# Altium PCB PowerM.PcbDoc
Units mil, origin at the board's own origin, x right, y up, seen from the top; angles counter-clockwise.
Board outline 2635.06 x 2170.06 mil, 2 copper layers (Top Layer, Bottom Layer); 58 components, 31 nets, 209 pads, 36 vias.
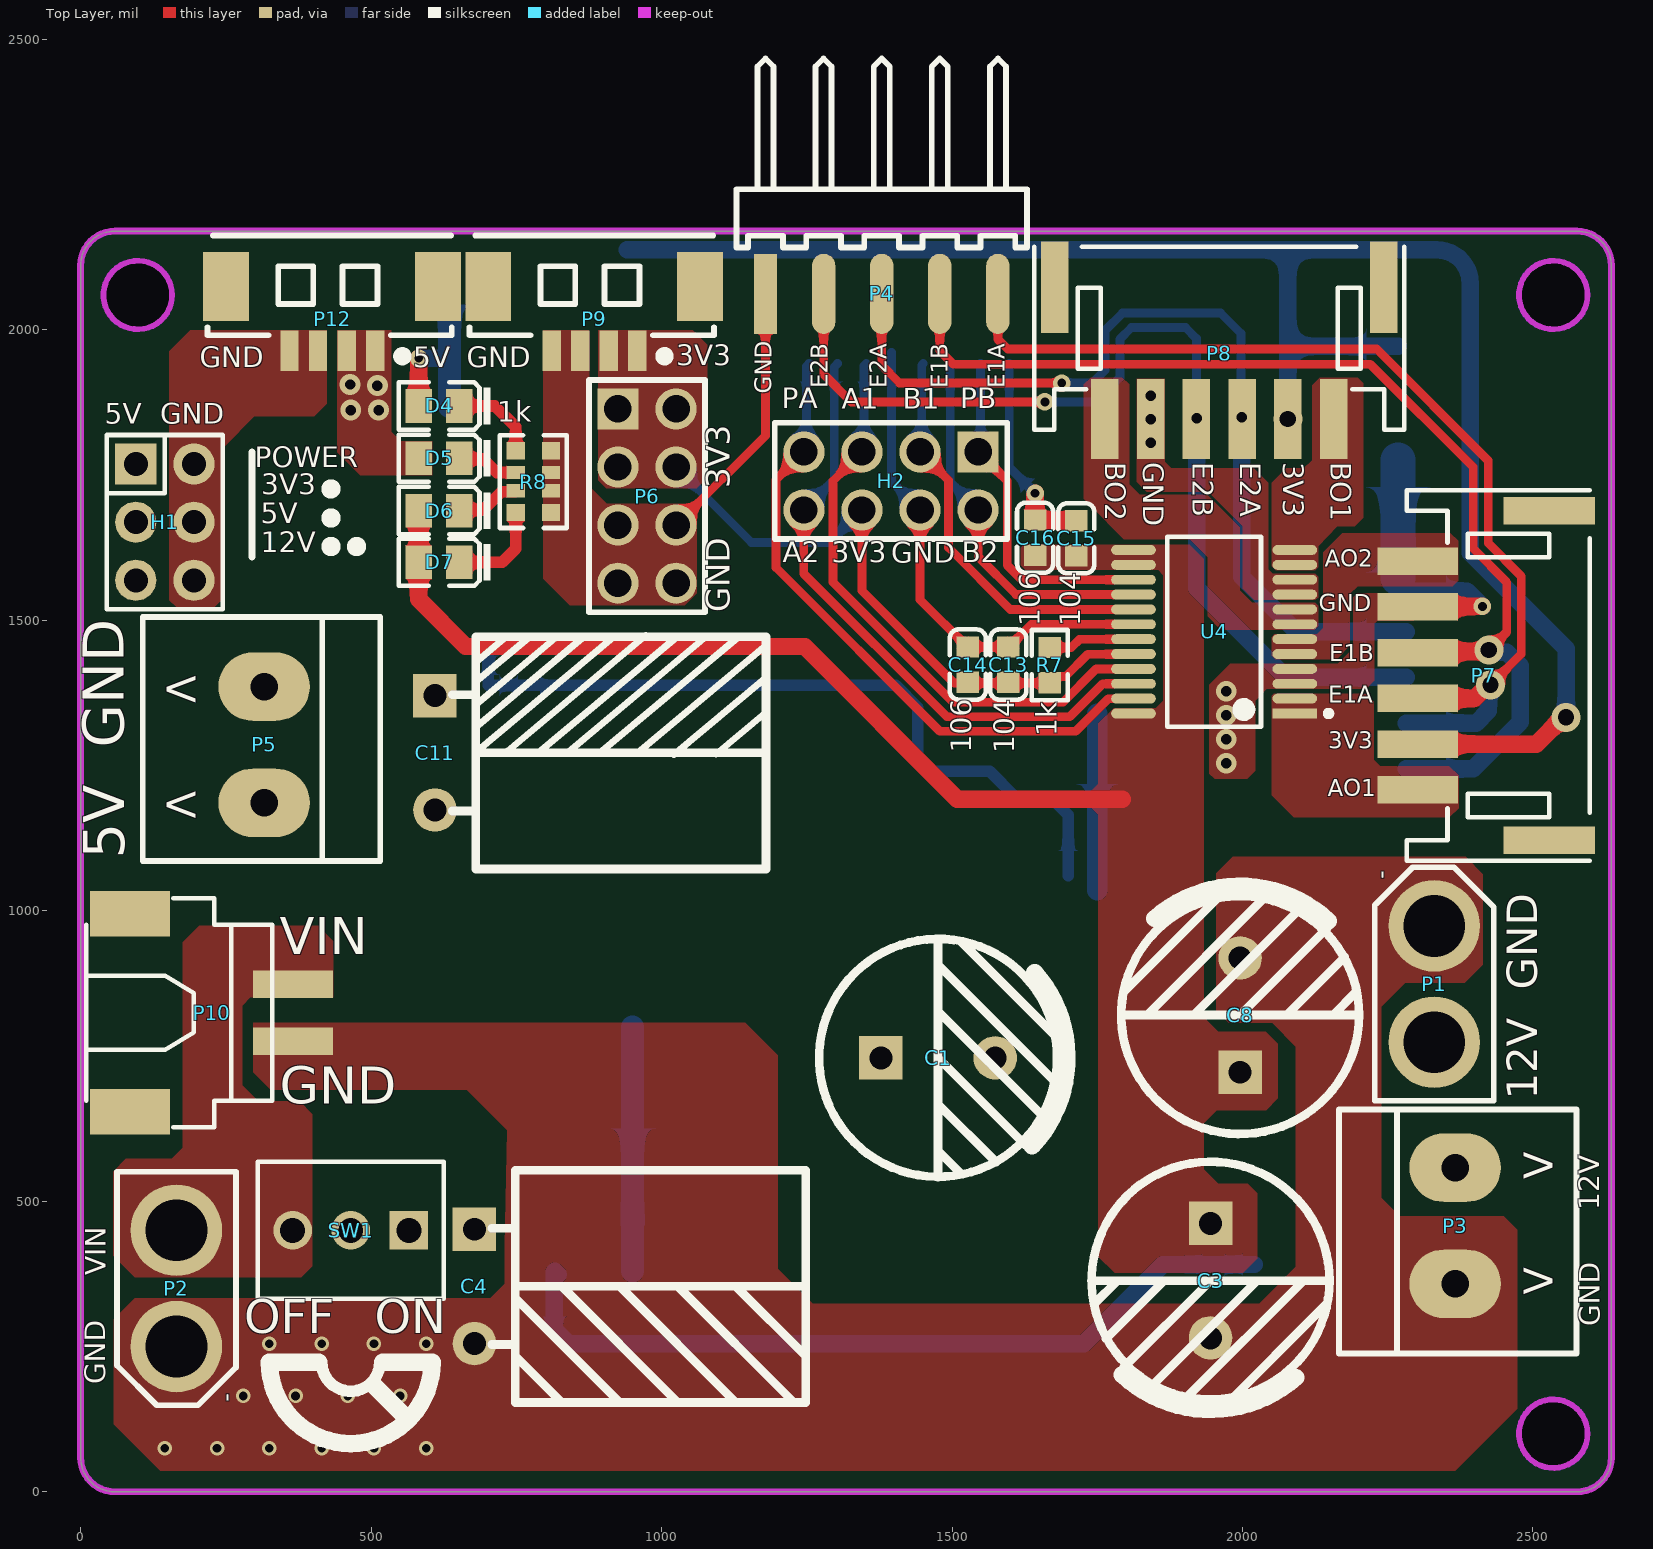
[diagram p0: Top Layer view]
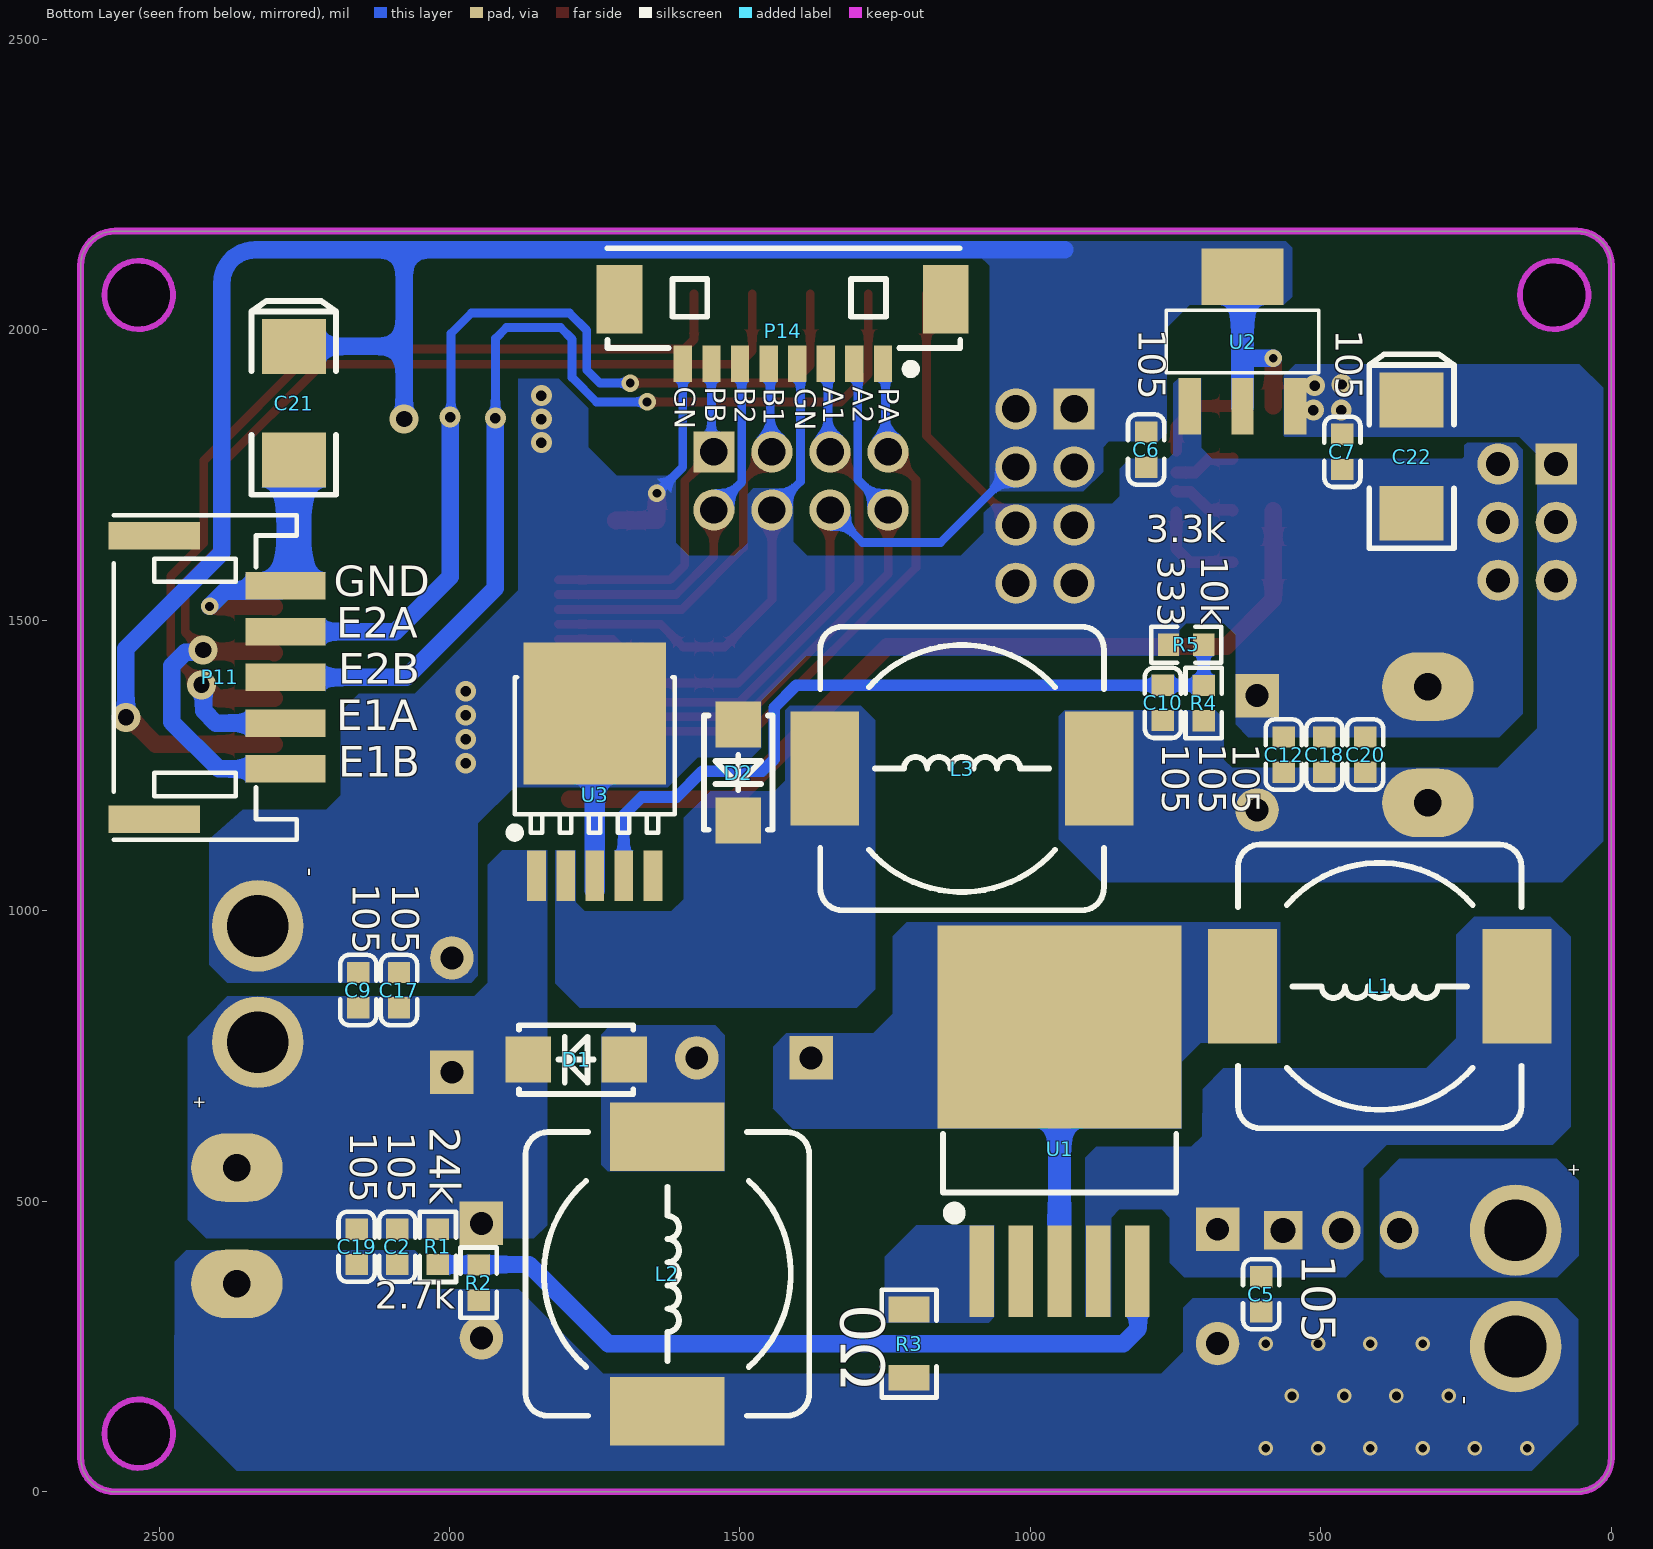
[diagram p1: Bottom Layer view, seen from below]

## Layer stack, top to bottom
Top Solder: solder mask 0.4, Solder Resist, Dk 3.5
Top Layer: signal copper 1.4
Dielectric 1: dielectric 12.6, FR-4, Dk 4.8
Bottom Layer: signal copper 1.4
Bottom Solder: solder mask 0.4, Solder Resist, Dk 3.5

## Board outline
0,59.06 ccw(c59.06,59.06) 59.06,0 2576.15,0 2576,0 ccw(c2576,59.05) 2635.06,59.05 2635,59.05 2635,2111.03 2635,2111 ccw(c2575.95,2111) 2575.95,2170.06 2575.95,2170 59.06,2170 ccw(c59.05,2110.94) 0,2110.94
cut-out: 2475.94,2060 ccw(c2535,2060) 2535,2000.94 ccw(c2535,2060) 2594.06,2060 ccw(c2535,2060) 2535,2119.06 ccw(c2535,2060)
cut-out: 98.43,2000.94 cw(c98.43,2060) 39.37,2060 cw(c98.43,2060) 98.43,2119.06 cw(c98.43,2060) 157.48,2060 cw(c98.43,2060)
cut-out: 2475.94,100 ccw(c2535,100) 2535,40.94 ccw(c2535,100) 2594.06,100 ccw(c2535,100) 2535,159.06 ccw(c2535,100)

## Design rules (kind name [scope] priority, off if disabled: settings)
Clearance [All] p1: gap=10 ignorepadtopadclearanceinfootprint=FALSE except(0: Arc-Hole Track-Hole SMDPad-Hole THPad-Hole Via-Hole Fill-Hole Poly-Hole Region-Hole Text-Hole; 5: Arc-SMDPad Arc-THPad Arc-Fill Arc-Poly Arc-Region Track-SMDPad Track-THPad Track-Fill Track-Poly Track-Region SMDPad-SMDPad SMDPad-Fill SMDPad-Poly SMDPad-Region Fill-Fill Fill-Poly Fill-Region Poly-Poly Poly-Region Region-Region)
PolygonConnect [All] p1: connectstyle=Direct reliefconductorwidth=10 reliefentries=4 polygonreliefangle="90 Angle" airgapwidth=10
RoutingVias [All] p1: holewidth=28 width=50 viastyle="Through Hole" minholewidth=8 minwidth=12 maxholewidth=28 maxwidth=50
SolderMaskExpansion [All] p1: expansion=4 istentingtop=FALSE
Width [All] p1: maxlimit=300 minlimit=10 preferedwidth=10 minimp=50.000000 maximp=50.000000 favimp=50.000000
30 further rules are at their usual default settings.

## Components (designator, comment, footprint, x,y, rotation, side; value= is the part's Value field where it differs from the comment)
C1 "100uF" "CAP 5.0*10*12.5" 1476,747 r0 top
C2 "105" 0603_C 2090,421.68 r90 bottom
C3 "220uF" "CAP 5.0*10*12.5" 1945,363.43 r270 top value=100uF
C4 "220uF" "CAP 5.0*10*12.5-H" 678,353.57 r270 top value=100uF
C5 "105" 0603_C 603,340 r90 bottom
C6 "105" 0603_C 801,1794 r90 bottom
C7 "105" 0603_C 463,1790 r90 bottom
C8 "33uF" "CAP 5.0*10*12.5" 1996,820.57 r90 top value=100uF
C9 "105" 0603_C 2157,863.68 r270 bottom
C10 "33nF" 0603_C 772,1358 r90 bottom
C11 "220uF" "CAP 5.0*10*12.5-H - GD" 915,1276 r270 top value=100uF
C12 "105" 0603_C 564,1269 r270 bottom
C13 "104" 0603_C 1597,1424 r270 top
C14 "106" 0603_C 1527,1424 r270 top
C15 "104" 0603_C 1714,1641.32 r270 top
C16 "106" 0603_C 1643,1642.32 r270 top
C17 "105" 0603_C 2087,863.68 r270 bottom
C18 "105" 0603_C 494,1269 r270 bottom
C19 "105" 0603_C 2160,421.68 r90 bottom
C20 "105" 0603_C 424,1269 r270 bottom
C21 "226" CASE-C_6032 2268,1874 r90 bottom
C22 "226" CASE-C_6032 344,1782 r90 bottom
D1 "SS34" SMA(DO-214AC)_S2 1782,744 r180 bottom
D2 "Diode" SMA(DO-214AC)_S2 1503,1238 r90 bottom
D4 "LED" 0805_LED 617,1869 r180 top
D5 "LED" 0805_LED 617,1779 r180 top
D6 "LED" 0805_LED 617,1689 r180 top
D7 "LED" 0805_LED 617,1600 r180 top
H1 "PH6" HDR-TH_6P-P2.54-V-M-R2-C3-S2.54-1 145,1669 r270 top
H2 "PH8" HDR-TH_8P-P2.54-V-R2-C4-S2.54_A2541WV-2X4P 1395,1740 r180 top
L1 "100uH" CDRH127 398.78,870 r0 bottom
L2 "100uH" CDRH127 1625,375 r270 bottom
L3 "100uH" CDRH127 1117.78,1245 r180 bottom
P1 "PH-2Way" XT30-M 2330,874 r90 top
P2 "PH-2Way" XT30-M 165,350 r270 top
P3 "2PIN" KF128-2P 2366.94,352.72 r90 top
P4 "Header 5" HDR2.54-WS-5P 1379,2062 r0 top
P5 "2PIN" KF128-2P 315.06,1391.28 r270 top
P6 "PH8" HDR-TH_8P-P2.54-V-R2-C4-S2.54_A2541WV-2X4P 975,1714 r270 top
P7 "6PIN" PH2.0WS-6P 2435,1415 r90 top
P8 "6PIN" PH2.0WS-6P 1950,1980 r180 top
P9 "4PIN" MX1.25WS-4PIN 1068.06,2071.65 r180 top
P10 "PH-2Way" XH2.54-WS-2P 169.65,824.65 r270 top
P11 "接线端子-5PIN" PH2.0-WS-5P 2435,1415 r270 bottom
P12 "4PIN" MX1.25WS-4PIN 616.85,2071.65 r180 top
P14 "接线端子-8PIN" MX1.25WS-8P 1449,2063 r180 bottom
R1 "24kΩ" 0603_R 2020,421.57 r90 bottom
R2 "2.7kΩ" 0603_R 1950,360 r90 bottom
R3 "0Ω" 1206_R 1209,255 r90 bottom
R4 "10k" 0603_R 702,1357.69 r270 bottom
R5 "3.3k" 0603_R 732,1458 r180 bottom
R7 "1KΩ" 0603_R 1668,1423 r270 top
R8 "?Ω" 0603_Rx4 779.31,1738.75 r270 top
SW1 "TT11AGPC104" FP-TT11AGPC104-MFG 465,450 r180 top
U1 "XL6019E1" TO-263-5_L10.2-W9.9-P1.70-LS14.4-TL 950,590.01 r90 bottom
U2 "AMS1117-3.3_C369933" SOT-223-4_L6.5-W3.5-P2.30-LS7.0-BR 635,1980 r270 bottom
U3 "DCDC" TO-252-XL 1750,1200 r90 bottom
U4 "TB6612FNG,C,8,EL" FP-SSOP24-P-300-0_65A-IPC_A 1951.21,1480.43 r180 top

## Footprints (in the part's own frame and the unit in brackets; to place one, negate y for a bottom-side part, rotate by r counter-clockwise, add the part's x,y. Pads: shape width x height; smd on the part's side, far side on the other; paste and mask are expansions set on the pad)
0603_C [mm]
  rect 0.93x0.98 smd: 1(-0.77,0) 2(0.77,0)
  silkscreen extent -1.53,-0.79 1.54,0.79, body extent -0.8,-0.4 0.8,0.4, height 0.3
0603_R [mm]
  rect 0.93x0.98 smd: 1(-0.77,0) 2(0.77,0)
  silkscreen extent -1.53,-0.79 1.54,0.79, body extent -0.85,-0.4 0.85,0.4, height 0.56
0603_Rx4 [mm]
  rect 0.75x0.8 smd mask+0.051: 1(-1.35,-0.77) 4(1.35,-0.77) 5(1.35,0.77) 8(-1.35,0.77)
  rect 0.58x0.8 smd mask+0.051: 2(-0.4,-0.77) 3(0.4,-0.77) 6(0.4,0.77) 7(-0.4,0.77)
  silkscreen extent -2.02,-1.47 2.02,1.47, body extent -1.6,-0.8 1.6,0.8, height 0.55
0805_LED [mm]
  rect 1.16x1.47 smd: A(0.89,0) K(-0.89,0)
  silkscreen extent -2.25,-1.04 1.77,1.03, body extent -1.01,-0.62 1.01,0.62, height 1.1
1206_R [mm]
  rect 1.13x1.8 smd: 1(-1.49,0) 2(1.49,0)
  silkscreen extent -2.36,-1.2 2.35,1.2, body extent -1.7,-0.86 1.65,0.87, height 0.85
"CAP 5.0*10*12.5" [mm] "脚距5mm直径10mm高度12.5mm         淘宝ID:黄晶宝石"
  rect 1.9x1.9 hole 1: 1(-2.5,0)
  round 1.9 hole 1: 2(2.5,0)
  silkscreen extent -5.2,-5.21 5.64,5.2, body extent -5,-5.01 5.01,4.99, height 12.55
"CAP 5.0*10*12.5-H" [mm] "脚距5mm直径10mm高度12.5mm         淘宝ID:黄晶宝石"
  rect 1.9x1.9 hole 1: 1(-2.5,0)
  round 1.9 hole 1: 2(2.5,0)
  silkscreen extent -5.08,0.76 5.08,14.48, body extent -5,-0.3 5.01,14.41, height 10.03
"CAP 5.0*10*12.5-H - GD" [mm] "脚距5mm直径10mm高度12.5mm"
  rect 1.9x1.9 hole 1: 1(-2.398,-7.747)
  round 1.9 hole 1: 2(2.602,-7.747)
  silkscreen extent -4.98,-6.98 5.18,6.73, body extent -4.9,-8.05 5.11,6.66, height 10.03
CASE-C_6032 [mm]
  rect 2.4x2.8 smd: 1(2.48,0) 2(-2.48,0)
  silkscreen extent -4.01,-1.85 4.47,1.85, body extent -3.05,-1.68 3.05,1.67, height 2.7
CDRH127 [mm] "12*12*8mm（长宽高）"
  rect 3x5 smd: 1(-6,0) 2(6,0)
  silkscreen extent -6.2,-6.2 6.2,6.2, body extent -6,-6 6,6, height 7.8
FP-SSOP24-P-300-0_65A-IPC_A [mm]
  rect 1.954x0.432 smd paste+0 mask+0: 1(-3.525,3.575)
  rrect100% 1.954x0.432 smd paste+0 mask+0: 2(-3.525,2.925) 3(-3.525,2.275) 4(-3.525,1.625) 5(-3.525,0.975) 6(-3.525,0.325) 7(-3.525,-0.325) 8(-3.525,-0.975) 9(-3.525,-1.625) 10(-3.525,-2.275) 11(-3.525,-2.925) 12(-3.525,-3.575) 13(3.525,-3.575) 14(3.525,-2.925) 15(3.525,-2.275) 16(3.525,-1.625) 17(3.525,-0.975) 18(3.525,-0.325) 19(3.525,0.325) 20(3.525,0.975) 21(3.525,1.625) 22(3.525,2.275) 23(3.525,2.925) 24(3.525,3.575)
  silkscreen extent -5.13,-4.15 2.05,4.15, body extent -5,-4.65 5,4.65, height 0.25
FP-TT11AGPC104-MFG [mm]
  rect 1.69x1.69 hole 1.09 paste-1000 mask+0: 1(-2.54,0)
  round 1.69 hole 1.09 paste-1000 mask+0: 2(0,0) 3(2.54,0)
  silkscreen extent -4.07,-3 4.07,3, body extent -4.17,-3.1 4.17,3.1, height 0.25
HDR2.54-WS-5P [mm] "5P卧式贴片排针2.54"
  rect 1.02x3.5 smd: 1(-5.08,0)
  oval 1.02x3.5 smd: 2(-2.54,0) 3(0,0) 4(2.54,0) 5(5.08,0)
  silkscreen extent -6.35,2.03 6.35,10.29, body extent -6.35,-0.76 6.35,10.34, height 2.54
HDR-TH_6P-P2.54-V-M-R2-C3-S2.54-1 [mil]
  rect 70.9x70.9 hole 41.3 mask+2: 1(-100,-50)
  round 70.9 hole 41.3 mask+2: 2(-100,50) 3(0,-50) 4(0,50) 5(100,-50) 6(100,50)
  silkscreen extent -150,-100 150,100, body extent -150,-100 150,100, height 337
HDR-TH_8P-P2.54-V-R2-C4-S2.54_A2541WV-2X4P [mm]
  rect 1.8x1.8 hole 1.2 mask+0.051: 1(-3.81,-1.27)
  round 1.8 hole 1.2 mask+0.051: 2(-3.81,1.27) 3(-1.27,-1.27) 4(-1.27,1.27) 5(1.27,-1.27) 6(1.27,1.27) 7(3.81,-1.27) 8(3.81,1.27)
  silkscreen extent -5.08,-2.54 5.08,2.54, body extent -5.08,-2.54 5.08,2.54, height 8.79
KF128-2P [mm]
  oval 3x4 hole 1.2: 1(0.134,0.024) 2(5.214,0.024)
  silkscreen extent -2.91,-5.28 7.75,5.1, body extent -2.91,-5.35 7.75,5.15, height 14.15
MX1.25WS-4PIN [mm]
  rect 2x3 smd: 0(0.042,-0.076) 0(9.306,-0.076)
  rect 0.8x1.778 smd: 1(2.785,2.734) 2(4.035,2.734) 3(5.285,2.734) 4(6.535,2.734)
  silkscreen extent -0.56,-2.3 10.12,3.17, body extent -0.47,-2.04 9.68,3.15, height 3.4
MX1.25WS-8P [mm]
  rect 2x3 smd: 0(-6.564,-0.262) 0(7.7,-0.262)
  rect 0.8x1.6 smd: 1(4.956,-3.072) 2(3.706,-3.072) 3(2.456,-3.072) 4(1.206,-3.072) 5(-0.044,-3.072) 6(-1.294,-3.072) 7(-2.544,-3.072) 8(-3.794,-3.072)
  silkscreen extent -7.1,-3.51 8.33,1.97, body extent -7.03,-3.45 8.12,1.74, height 3.4
PH2.0-WS-5P [mm]
  rect 1.2x4 smd: 0(-5.863,-1.864) 0(6.537,-1.864)
  rect 1.2x3.5 smd: 1(-3.663,3.886) 2(-1.663,3.886) 3(0.337,3.886) 4(2.337,3.886) 5(4.337,3.886)
  silkscreen extent -6.76,-3.64 7.43,4.37, body extent -6.66,-3.51 7.34,5.09, height 5.55
PH2.0WS-6P [mm]
  rect 1.2x4 smd: 0(-7.453,-2.365) 0(6.947,-2.365)
  rect 1.2x3.5 smd: 1(-5.253,3.385) 2(-3.253,3.385) 3(-1.253,3.385) 4(0.747,3.385) 5(2.747,3.385) 6(4.747,3.385)
  silkscreen extent -8.35,-4.14 7.84,3.86, body extent -8.25,-4.01 7.75,4.59, height 5.55
SMA(DO-214AC)_S2 [mm]
  rect 2x2 smd: 1(2.1,0) 2(-2.1,0)
  silkscreen extent -2.5,-1.5 2.5,1.5, body extent -2.6,-1.3 2.6,1.3, height 2.4
SOT-223-4_L6.5-W3.5-P2.30-LS7.0-BR [mm]
  rect 2.47x0.98 smd: 1(2.835,-2.3) 2(2.835,0) 3(2.835,2.3)
  rect 2.47x3.6 smd: 4(-2.835,0)
  silkscreen extent -1.37,-3.33 1.37,3.33, body extent -3.32,-3.25 3.68,3.25, height 1.87
TO-252-XL [mil]
  rect 86.61x32.5 smd: 1(-139.5,100) 2(-139.5,50) 3(-139.5,0) 4(-139.5,-50) 5(-139.5,-100)
  rect 244.5x244.5 smd: 6(139.5,0)
  silkscreen extent -73,-138 202,146, body extent -179,-132 249,132, height 94
TO-263-5_L10.2-W9.9-P1.70-LS14.4-TL [mm]
  rect 4x1.069 smd: 1(-5.334,3.4) 2(-5.334,1.7) 3(-5.334,0) 4(-5.334,-1.7) 5(-5.334,-3.4)
  rect 8.89x10.66 smd: 6(5.334,0)
  silkscreen extent -3.05,-5.1 0.66,5.1, body extent -6.05,-5.08 8.59,5.08, height 4.57
XH2.54-WS-2P [mm] "长：10mm，宽：8mm，高：6.1mm   淘宝ID:黄晶宝石   店铺网址:https://shop463601444.taobao.com"
  rect 2x3.5 smd: 0(-4.327,-2.15) 0(4.327,-2.15)
  rect 1.2x3.5 smd: 1(-1.25,4.981) 2(1.25,4.981)
  silkscreen extent -5,-4.06 5,4.06, body extent -5,-4 5,6.42, height 6.05
XT30-M [mm]
  round 4 hole 2.7: 1(-2.54,0) 2(2.54,0)
  silkscreen extent -5.1,-2.6 5.11,2.6, body extent -5.18,-2.8 5.02,2.8, height 10.66

## Part data
C1 C3 C4 C8 C11: library part TH_Cap, "插件电容", Equivalent Series Resistance(ESR)=-, JLCPCB Part Class="Extended Part", LCSC Part Name="100uF ±20% 16V", Lifetime @ Temp=2000hrs@105℃, Manufacturer="MAN YUE(万裕科技)", Manufacturer Part=ULR107M1CE08TUX0CR, Operating Temperature=-55℃~+105℃, Rated Voltage=16V, Tolerance=±20%, Add into BOM=yes, Convert to PCB=yes, Datasheet=https://atta.szlcsc.com/upload/public/pdf/source/20211118/585B9CEDE9E08D4A86043C401C7B1F80.pdf, Device=ULR107M1CE08TUX0CR, L=8mm, Lead Spacing=2.5mm, Name=100uF, Ripple Current=-, Supplier=LCSC, Supplier Footprint=径向引线,6.3x8mm, Supplier Part=C2923568, Symbol=ULR107M1CE08TUX0CR, Type=聚合物, φD=6.3mm
C2 C5 C6 C7 C9 C10 C12 C13 C14 C15 C16 C17 C18 C19 C20: library part SMT_Cap, "贴片电容", Package=0805, SuppliersPartNumber=C28260, ComponentLink1Description=供应商链接, ComponentLink1URL=http://www.szlcsc.com/product/details_29010.html, Supplier=LC
C21 C22: library part SMT_Cap_Tantalum, "钽电容", Package=3528, SuppliersPartNumber=C16133, ComponentLink1Description=供应商链接, ComponentLink1URL=http://www.szlcsc.com/product/details_16815.html, Supplier=LC
D1: library part Diode, "通用二极管", Package=SOD-123, SuppliersPartNumber=C8598, ComponentLink1Description=供应商链接, ComponentLink1URL=http://www.szlcsc.com/product/details_9093.html, Supplier=LC
D2: "通用二极管", Package=SOD-123, SuppliersPartNumber=C8598, ComponentLink1Description=供应商链接, ComponentLink1URL=http://www.szlcsc.com/product/details_9093.html, Supplier=LC
D4 D5 D6 D7: "发光二极管", Package=0603, SuppliersPartNumber=C2290, ComponentLink1Description=供应商链接, ComponentLink1URL=http://www.szlcsc.com/product/details_2663.html, Supplier=LC
H1: library part PH-6Way-2Row, Color=黑色, Current Rating (Max)=-, JLCPCB Part Class="Extended Part", LCSC Part Name="2.54mm 2x3P 直插 方针", Manufacturer=CJT(长江连接器), Manufacturer Part=A2541WV-2x3P, Operating Temperature Range=-40℃~+105℃, Add into BOM=yes, Circluar Pins/Square Pins=方针, Contact Material=黄铜, Contact Plating=-, Convert to PCB=yes, Datasheet=https://atta.szlcsc.com/upload/public/pdf/source/20180509/C225518_0BFA6BCCBDAB2EC993D26ADC2A9ADF8C.pdf, Device=A2541WV-2x3P, Insulation Height=2.54mm, Length of End Connection Pin=3mm, Length of Mating Pin=6mm, Mounting Type=直插, Number of Pins=6, Number of Rows=2, Pin Structure=2x3P, Pitch=2.54mm, Row Spacing=2.54mm, Supplier=LCSC, Supplier Footprint=直插,P=2.54mm, Supplier Part=C225518, Symbol=A2541WV-2X3P, Voltage Rating (Max)=-
H2 P6: library part PH-8Way-2Row, Color=黑色, Current Rating (Max)=-, JLCPCB Part Class="Extended Part", LCSC Part Name="2.54mm 2x4P 直插 方针 镀金", Manufacturer=CJT(长江连接器), Manufacturer Part=A2541WV-2x4P, Operating Temperature Range=-40℃~+105℃, Add into BOM=yes, Circluar Pins/Square Pins=方针, Contact Material=黄铜, Contact Plating=-, Convert to PCB=yes, Datasheet=https://atta.szlcsc.com/upload/public/pdf/source/20180509/C225519_93746B99266AA550760B05B3359A404E.pdf, Device=A2541WV-2x4P, Insulation Height=2.54mm, Length of End Connection Pin=3mm, Length of Mating Pin=6mm, Mounting Type=直插, Number of Pins=8, Number of Rows=2, Pin Structure=2x4P, Pitch=2.54mm, Row Spacing=2.54mm, Supplier=LCSC, Supplier Footprint=插件,P=2.54mm, Supplier Part=C225519, Symbol=A2541WV-2X4P, Voltage Rating (Max)=-
L1 L2 L3: library part SMT_Iud_Power, "功率电感", Package=0603, SuppliersPartNumber=C29258, ComponentLink1Description=供应商链接, ComponentLink1URL=http://www.szlcsc.com/product/details_30010.html, Supplier=LC
P3 P5: library part 接线端子-2PIN
P4: "排针"
P7 P8: library part 接线端子-6PIN
P9 P12: library part 接线端子-4PIN
R1 R2 R3 R4 R5 R7: library part SMT_Res, "贴片电阻", Package=0603, SuppliersPartNumber=C23253, ComponentLink1Description=供应商链接, ComponentLink1URL=http://www.szlcsc.com/product/details_23980.html, Supplier=LC
R8: library part SMT_Res-4, "贴片排阻", Package=0603*4, SuppliersPartNumber=C25510, ComponentLink1Description=供应商链接, ComponentLink1URL=http://www.szlcsc.com/product/details_26253.html, Supplier=LC
SW1: library part CMP-03408-000020-1, "SWITCH TOGGLE SPST 0.4VA 20V", Contact Current Rating=3A, Max Operating Temperature=85°C, Max Voltage Rating (AC)=20V, Min Operating Temperature=-30°C, Package Quantity=25, Power Rating=400mW, Actuator Length=5.61mm, Actuator Type=Toggle, Contact Plating=Gold, Illumination Type=Illuminated, Max Voltage Rating (DC)=20V, Mount=Brackets, Orientation=Straight, Packaging=Bulk, RoHS Compliant=Yes, Series="TT (Tiny)", Termination="PC Pins", Throw Configuration=SPST, Voltage Rating (AC)=20V, Voltage Rating (DC)=20V
U1: "宽输入DCDC升降压管理芯片", BOM_JLCPCB Part Class="Extended Part", BOM_Manufacturer=XLSEMI, BOM_Manufacturer Part=XL6019E1, BOM_Supplier=LCSC, BOM_Supplier Part=C73018, spicePre=U, spiceSymbolName=XL6019E1
U2: BOM_JLCPCB Part Class="Extended Part", BOM_Manufacturer=KEXIN, BOM_Manufacturer Part=AMS1117-3.3, BOM_Supplier=LCSC, BOM_Supplier Part=C369933, Contributor=LCSC, spicePre=U, spiceSymbolName=AMS1117-3.3_C369933
U3: library part XL7015, "宽输入DCDC升降压管理芯片（Buck）"
U4: library part CMP-2100-03693-4, "IC MOTOR DRIVER 2.7V-5.5V 24SSOP", Case/Package=SSOP, Max Operating Temperature=85°C, Max Supply Voltage=5.5V, Min Operating Temperature=-20°C, Min Supply Voltage=2.7V, Operating Supply Voltage=3V, Output Current=1A, Package Quantity=1, Interface=Parallel, Logic Function="AND GATE", Mount="Surface Mount", Number of Outputs=2, Number of Pins=24, Packaging="Tape and Reel", Series=-

## Via types
v1: diameter 25, hole 15, Top Layer to Bottom Layer, 14 vias
v2: diameter 36, hole 18, Top Layer to Bottom Layer, 13 vias
v3: diameter 30, hole 15, Top Layer to Bottom Layer, 5 vias
v4: diameter 50, hole 28, Top Layer to Bottom Layer, 4 vias

## Nets (pads, with @x,y where several pads share a name; then routed paths per layer and width w, separated by ;. In a path a pad name is that pad's centre, name@x,y a point inside that pad or via, vN(x,y) a via of type N, cw(c..) or ccw(c..) an arc to the next point about the centre after c; other vN are vias at no path point)
+3V3: C6.2 C13.2 C14.2 C21.1 D4.A H2.6 P6.1 P6.2 P6.3 P6.4 P7.2 P8.2 P9.1 P9.2 R7.2 U2.2 U2.4 U4.20 | length 4506.2
  Top Layer w15: H2.6 1345,1551 1504,1392 R7.2@1668,1392 ; R7.2@1668.84,1391.84 R7.2@1668.84,1392.54 ; R7.2@1669.68,1391 R7.2 1678.81,1403.49 1695.49,1403.49 1733.66,1441.66 1812.03,1441.66 U4.20
  Top Layer w30: D4.A v3(581.96,1951.04) ; P7.2 2505.52,1286.93 2551.59,1333 v4(2557,1333)
  Bottom Layer w15: P6.4 1155,1634 1289,1634 H2.6
  Bottom Layer w30: v3(581.96,1951.04) 635,1951.04 ; 941,2138 2078.07,2138 ; v4(2078.07,1846.73) 2078.07,1971.64 ; C21.1 2078.07,1971.64 ; v4(2557,1333) 2557,1451 2392,1616 2392,2080 ccw(c2334,2080) 2334,2138 2078.07,2138 ; 2078.07,1971.64 2078.07,2138
  Bottom Layer w40: U2.2 635,1951.04 U2.4
+5: C7.2 C10.1 C11.2 C12.2 C18.2 C20.2 C22.1 D5.A H1.1 H1.3 H1.5 L3.2 P5.2 P12.1 P12.2 R4.2 U2.3 | length 1.6
  Top Layer w30: v2@511.85,1860.85 v2(513,1862)
  other v2: 465,1862 511,1904 464,1906
+12: C2.2 C3.1 C8.1 C9.2 C15.2 C16.2 C17.2 C19.2 D1.2 D6.A D7.A P1.1 P3.2 R1.2 U3.1 U4.13 U4.14 U4.24 | length 1506.5
  Top Layer w30: D6.A D7.A 581.96,1536.04 663,1455 1246.28,1455 1509.28,1192 1793,1192
AIN1: H2.5 P14.3 U4.21 | length 1026.9
  Top Layer w15: H2.5 1295,1740 1295,1565.64 1501.64,1359 1691,1359 1748.46,1416.46 U4.21
  Bottom Layer w15: H2.5 1348.65,1793.65 1348.65,1938.39 P14.3
AIN2: H2.8 P14.2 U4.22 | length 1078.8
  Top Layer w15: H2.8 1245,1580.29 1491.29,1334 1702.77,1334 1759.63,1390.87 U4.22
  Bottom Layer w15: H2.8 1297.07,1742.07 1297.07,1936.03 P14.2
AO1: P7.1 U4.1 U4.2
AO2: P7.6 U4.5 U4.6
BIN1: H2.3 P14.5 U4.17 | length 701.9
  Top Layer w15: H2.3 1494,1741 1494,1625.29 1600.47,1518.82 U4.17
  Bottom Layer w15: H2.3 1447.86,1792.86 1447.86,1939.18 P14.5
BIN2: H2.2 P14.6 U4.16 | length 647.9
  Top Layer w15: H2.2 1545,1609.64 1610.24,1544.41 U4.16
  Bottom Layer w15: P14.6 1497.07,1939.18 1497.07,1737.93 H2.2
BO1: P8.1 U4.11 U4.12
BO2: P8.6 U4.7 U4.8
E1A: P4.5 P7.3 P11.4 | length 1777.7
  Top Layer w15: P4.5 1579,1984 1596,1967 2231,1967 2423,1775 2423,1633 2480,1576 2480,1442 v4(2427,1389)
  Top Layer w30: P7.3 2400.19,1365.67 2423.52,1389 v4(2427,1389)
  Bottom Layer w30: P11.4 2402,1323 2423.17,1344.17 2423.17,1383.17 2428,1388 v4(2427,1389) v4@2423.17,1385.17
E1B: P4.4 P7.4 P11.5 | length 1966.4
  Top Layer w15: P4.4 1479,1964 1502,1941 2220,1941 2397,1764 2397,1623.64 2455,1565.64 2455,1479.92 v4(2424,1448.92)
  Top Layer w30: P7.4 2303.99,1446.67 2421.74,1446.67 v4(2424,1448.92)
  Bottom Layer w30: P11.5 2397.26,1244.26 2478,1325 2478,1421.79 2454.69,1445.1 2427.83,1445.1 v4(2424,1448.92)
E2A: P4.3 P8.3 P11.2 | length 1598.4
  Top Layer w15: P4.3 1379,1939 1409.5,1908.5 v3(1689,1908.5)
  Bottom Layer w15: v3(1689,1908.5) 1741.5,1908.5 1764,1931 1764,1999.36 1793.64,2029 1962,2029 1997.36,1993.64 1997.36,1851.64 v2(1999,1850)
  Bottom Layer w30: v2@1999,1848.38 1999,1575 2093.52,1480.48 P11.2
E2B: P4.2 P8.4 P11.3 | length 1754.1
  Top Layer w15: P4.2 1279,1923.65 1326.65,1876 v3(1660,1876)
  Bottom Layer w15: v3(1660,1876) 1747,1876 1789,1918 1789,1984 1809,2004 1902,2004 1921,1985 v2(1921,1848)
  Bottom Layer w30: v2(1921,1848) 1921,1555 2074.26,1401.74 P11.3
FB: R1.1 R2.2 U1.5 | length 1380.8
  Bottom Layer w30: U1.5@822.21,373.96 U1.5 815,378.85 815,280 840,255 1727,255 1863.26,391.26 R1.1
FB2: C10.2 R4.1 R5.2 U3.4 | length 1317.1
  Bottom Layer w20: R5.2 701.84,1457.84 701.84,1388.16 R4.1 1403,1388 1441,1350 1441,1261 1462,1240 1565,1240 1609,1196 1669,1196 1700,1165 U3.4
GND: C2.1 C3.2 C4.2 C5.1 C6.1 C7.1 C8.2 C9.1 C11.1 C12.1 C13.1 C14.1 C15.1 C16.1 C17.1 C18.1 C19.1 C20.1 C21.2 C22.2 D2.1 H1.2 H1.4 H1.6 H2.4 L2.2 P1.2 P2.2 P3.1 P4.1 P5.1 P6.5 P6.6 P6.7 P6.8 P7.5 P8.5 P9.3 P9.4 P10.2 P11.1 P12.3 P12.4 P14.4 P14.8 R2.1 R3.1 R5.1 R8.5 R8.6 R8.7 R8.8 U2.1 U3.3 U3.6 U4.3 U4.4 U4.9 U4.10 U4.18 | length 2449
  Top Layer w15: P6.6 1179,1818 P4.1 ; H2.4 1445,1535.33 1526.02,1454.32 C14.1 C13.1 1597.98,1454.32 1636.9,1493.23 U4.18
  Top Layer w30: v3(1643,1719) C16.1 1643.5,1672.13 1713.5,1672.13 C15.1 ; P7.5 2302.58,1524 v3(2413,1524)
  Bottom Layer w15: P14.4@1396,1961 1396,1739 H2.4 ; P14.8 1598.35,1763.65 v3(1643,1719)
  Bottom Layer w30: P11.1 2290.62,1550.6 2386.4,1550.6 v3(2413,1524)
  Bottom Layer w35: U3.3@1750,1035 U3.3 U3.6
  Bottom Layer w60: P11.1@2268,1573.21 C21.2
  other v1: 145,75 235,75 325,75 415,75 505,75 595,75 280,165 370,165 460,165 550,165 325,255 415,255 505,255 595,255
  other v2: 1972,1254 1972,1295.33 1972,1336.67 1972,1378 1841.85,1806 1841.85,1846.5 1841.85,1887
NetC1_1: C1.1 L1.2 U1.3 U1.6 | length 420
  Bottom Layer w40: U1.3 U1.6
NetC1_2: C1.2 D1.1 L2.1
NetD2_2: D2.2 L3.1 U3.2
NetD4_K: D4.K R8.1 | length 153
  Top Layer w20: D4.K 713,1869 749,1833 R8.1
NetD5_K: D5.K R8.2 | length 107.1
  Top Layer w20: D5.K 653.2,1777.84 693.16,1777.84 716.5,1754.5 R8.2
NetD6_K: D6.K R8.3 | length 111
  Top Layer w20: D6.K 653.2,1690.16 693.16,1690.16 724.58,1721.58 747.58,1721.58 R8.3
NetD7_K: D7.K R8.4 | length 169.1
  Top Layer w20: D7.K 726,1600 749,1623 R8.4
NetR3_2: R3.2 U1.1
Power: C4.1 C5.2 L1.1 SW1.1 SW1.2 U1.4
PWMA: H2.7 P14.1 U4.23 | length 1130.1
  Top Layer w15: H2.7 1197.07,1742.07 1197.07,1590.93 1479,1309 1713.12,1309 1769.01,1364.89 1812.03,1364.89 U4.23
  Bottom Layer w15: H2.7 1249.43,1794.43 1249.43,1937.61 P14.1
PWMB: H2.1 P14.7 U4.15 | length 597.2
  Top Layer w15: H2.1 1595,1740 1595,1595 1620,1570 U4.15
  Bottom Layer w15: H2.1 1549.14,1794.14 P14.7
STBY: R7.1 U4.19 | length 152.7
  Top Layer w15: R7.1@1669.69,1455 R7.1 1705.31,1453.31 1719.64,1467.64 U4.19
VIN: P2.1 P10.1 SW1.3
pads on no net: P7.0 P8.0 P9.0 P10.0 P11.0 P12.0 P14.0 U1.2 U3.5

## Polygon pours and split planes (outlines as drawn)
GND on Top Layer "Top Layer-GND" (solid, pour order 74): 1943,1236 1952,1227 2008,1227 2022,1241 2022,1362 2042,1382 2213,1382 2227,1396 2227,1494 2232,1499 2371,1499 2371,1547 2198,1547 2191,1540 2191,1452 2164,1425 2126,1425 1979.05,1425.05 1943,1389
VIN on Top Layer "VIN_L01_P078" (solid, pour order 78): 409,974 435,948 435,851 292,851 278,837 278,700 306,672 377,672 399,650 399,388 380,369 93,369 56,406 56,551 78,573 157,573 176,592 176,946 204,974
AO1 on Top Layer "AO1_L01_P057" (solid, pour order 57): 2372,1177 2356,1161 2088,1161 2050,1199 2050,1330 2050,1370 2054,1374 2212,1374 2226,1360 2226,1260 2237,1249 2356,1249 2372,1233
GND on Top Layer "Top Layer-GND 1" (solid, pour order 86): 665,692 734.56,622.44 730,422 730,358 705,333 93,333 57,297 57,116 137,36 2366,36 2473,143 2473,451 2450,474 2271,474 2239,506 2239,835 2280,876 2383,876 2414,907 2414,1063 2384,1093 1983,1093 1955,1065 1955,828 1976,807 2051,807 2092,766 2092,387 2029,324 1260,324 1200,384 1200,751 1144,807 297,807 297,722 327,692
+5 on Top Layer "+5_L01_P081" (solid, pour order 81): 442,1789 481,1750 605,1750 605,1808 552,1808 535,1825 535,1853 535,1999 442,1999
GND on Top Layer "GND_L01_P080" (solid, pour order 80): 424,1999 189,1999 153,1963 153,1535 165,1523 231,1523 248,1540 248,1800 299,1851 402,1851 424,1873
GND on Top Layer "GND_L01_P071" (solid, pour order 71): 796,1572 842,1526 1040,1526 1061,1547 1061,1693 1053,1701 906,1701 876,1731 876,1999 796,1999
+3V3 on Top Layer "+3V3_L01_P070" (solid, pour order 70): 891,1741 905,1727 1061,1727 1079,1745 1079,1974 1054,1999 891,1999
AO2 on Top Layer "AO2_L01_P059" (solid, pour order 59): 2358,1650 2371,1637 2371,1568 2362,1559 2198,1559 2185,1546 2185,1456 2162,1433 2056,1433 2050,1439 2050,1471 2055,1476 2128,1476 2139,1487 2139,1526 2139,1617 2172,1650
GND on Top Layer "GND_L01_P073" (solid, pour order 73): 2130,1535 2130,1575 2125,1580 2052,1580 2044,1588 2044,1737 2019,1762 1877,1762 1866,1773 1866,1916 1818,1916 1818,1739 1841,1716 1939,1716 1995,1660 1995,1552 2017,1530 2125,1530
+12 on Top Layer "+12_L01_P060" (solid, pour order 60): 1752,1219 1739,1206 1739,1178 1752,1165 1752,405 1780,377 2001,377 2025,401 2025,514 2009,530 1958,530 1933,555 1933,634 1956,657 2041,657 2061,677 2061,771 2040,792 1958,792 1933,817 1933,1606 1909,1630 1623,1630 1618,1625 1618,1595 1626,1587 1855,1587 1864,1578 1864,1362 1851,1349 1778,1349 1752,1323
BO1 on Top Layer "BO1_L01_P058" (solid, pour order 58): 2163.35,1662 2193,1662 2208,1677 2208,1908 2198,1918 2133,1918 2120,1905 2120,1776 2105.71,1761.71 2075.03,1762.03 2050,1737 2050,1593 2057,1586 2125,1586 2130,1591 2130,1627.32
BO2 on Top Layer "BO2_L01_P056" (solid, pour order 56): 1739,1918 1727,1906 1727,1709 1739,1697 1796,1640 1909,1640 1940,1609 1940,1507 1963,1484 2124,1484 2130,1490 2130,1525 2125,1530 2041,1530 2017,1530 1995,1552 1995,1660 1939,1716 1823,1716 1805,1734 1805,1906 1793,1918
NetC1_2 on Bottom Layer "NETC1_2_L02_P065" (solid, pour order 65): 1526,786 1543,803 1723,803 1739,787 1739,563 1728,552 1526,552
NetR3_2 on Bottom Layer "NETR3_2_L02_P083" (solid, pour order 83): 1062,301 1072,291 1251,291 1251,405 1197,459 1062,459
+5 on Bottom Layer "+5_L02_P069" (solid, pour order 69): 682,1345 667,1330 667,1260 653,1246 631,1246 196,1246 128,1314 128,1785 159,1816 562,1816 564,1818 564,1921 544,1941 55,1941 14,1900 14,1120 85,1049 877,1049 951,1123 951,1335 941,1345
GND on Bottom Layer "Bottom Layer-GND" (solid, pour order 77): 1812,1916 1761,1865 1761,1798 1712,1749 1617,1749 1611,1743 1611,1634 1588,1611 1510,1611 1487,1634 1487,1717 1477,1727 1418,1727 1408,1717 1408,1635 1384,1611 1120,1611 1080,1651 1080,1685 1064,1701 859,1701 846,1714 846,1761 829,1778 763,1778 754,1787 754,1908 745,1917 706,1917 706,1797 687,1778 257,1778 253,1782 253,1801 248,1806 165,1806 153,1794 153,1339 193,1299 625,1299 647,1321 647,1475 667,1495 732,1495 744,1483 744,1439 1386,1439 1463,1362 1463,1281 1480,1264 1573,1264 1624,1213 1888.8,1213 1951,1150.8 1951,888 1963,876 2383,876 2414,907 2414,1123.59 2355.84,1174 2212,1174 2187,1199 2187,1342.84 2155.84,1374 2060,1374 1882,1552 1882,1916
GND on Bottom Layer "Bottom Layer-GND 1" (solid, pour order 76): 57,116 137,36 2366,36 2473.51,143.51 2473,396 2453,416 2060,416 2055,411 2055,364 2040,349 1881,349 1735,203 775,203 737,241 737,317 721,333 93,333 57,297
+3V3 on Bottom Layer "+3V3_L02_P072" (solid, pour order 72): 561,2153 549,2141 549.55,2140.45 549.55,2057.45 564,2043 726,2043 765,2004 765,1823 780,1808 865,1808 875,1798 875,1756 909,1722 1065,1722 1070,1727 1070,2110 1088,2128 1088,2145 1080,2153
NetD2_2 on Bottom Layer "NETD2_2_L02_P068" (solid, pour order 68): 1267,865 1299,833 1776,833 1818,875 1818,1104 1783,1104 1783,1015 1767,999 1618,999 1597,1020 1597,1160 1551,1206 1440,1206 1422,1224 1422,1345 1414,1353 1292,1353 1267,1328
+12 on Bottom Layer "Bottom Layer-+12" (solid, pour order 66): 1832,1104 1909,1104 1934,1079 1934,876 1957,853 2382.63,853 2451,783.38 2451,468 2419,436 1855,436 1832,459
NetC1_1 on Bottom Layer "NETC1_1_L02_P063" (solid, pour order 63): 1237,823 1271,789 1420,789 1443,766 1443,661 1444,660 1409,625 740,625 740,740 708,772 570,773.04 570,980 1213,980 1237,956
Power on Bottom Layer "POWER_L02_P062" (solid, pour order 62): 668,729 703.8,693.2 704.61,612.39 723,594 887,594 906,575 906,301 861,301 861,472 847,486 774,486 760,472 760,394 735,369 457,369 427,399 427,557 387,597 101,597 70,628 70,955 105,990 236,990 267,959 267,781 319,729
VIN on Bottom Layer "VIN_L02_P061" (solid, pour order 61): 56,535 94,573 365,573 399,539 399,379 389,369 93,369 56,406

## Keep-outs
Keep-Out Layer:
  circle w10: c2535,2060 r59.06
  circle w10: c98.43,2060 r59.06
  circle w10: c2535,100 r59.06
  lines w11.81: 0,58.95 0,2110.94 cw(c59.06,2110.94) 59.06,2170 2575.95,2170 ; 0,59.06 ccw(c59.06,59.06) 59.06,0 2576.15,0 ; 2575.95,2170.06 cw(c2575.95,2111) 2635,2111 ; 2576,0 ccw(c2576,59.05) 2635.06,59.05 ; 2635,59.05 2635,2111.03

## Silkscreen, mask and mechanical layers (free items; w line width, h text height)
Top Overlay:
  circle w30: c475,1627 r1.5
  circle w30: c431,1627 r1.5
  circle w30: c431,1676.2 r1.5
  circle w30: c431,1726.34 r1.5
  lines w11.81: 295,1609 295,1790 ; 679,1272.16 916.79,1471.05 ; 679,1315.16 863.1,1469.14 ; 679,1354.16 817.07,1469.64 ; 679,1393.16 771.05,1470.15 ; 679,1427 734,1473 ; 735,1275.16 972.79,1474.05 ; 788,1272.16 1025.79,1471.05 ; 840,1274.16 1077.79,1473.05 ; 893,1271.16 1130.79,1470.05 ; 959,1272 1181.45,1458.05 ; 1021,1269 1178.25,1400.52 ; 1094,1270 1178.38,1340.57
  lines w20: 415,223 ccw(c465,223) 515,223
  lines w30: 410,223 325,223 ccw(c465,223) 605,223 520,223 ; 504,184 563,125
  text "3V3" at 1025,1927.04 h60
  text "GND" at 205,1924.04 h60
  text "5V" at 573,1924.04 h60
  text "GND" at 665,1924.04 h60
  text "E2B" at 1296.79,1899.78 h50 r90
  text "E2A" at 1397.79,1899.78 h50 r90
  text "E1B" at 1502.79,1899.78 h50 r90
  text "E1A" at 1600.79,1899.78 h50 r90
  text "GND" at 1199.79,1889.78 h50 r90
  text "PA" at 1206.81,1852.8 h60
  text "A1" at 1309.82,1852.57 h60
  text "B1" at 1415.06,1852.57 h60
  text "PB" at 1514.03,1852.8 h60
  text "1k" at 717.53,1829.69 h60
  text "5V" at 41.18,1826.11 h60
  text "GND" at 137,1826.04 h60
  text "BO2" at 1751.8,1772.5 h60 r270
  text "GND" at 1817.04,1772.5 h60 r270
  text "E2B" at 1902.69,1772.5 h60 r270
  text "E2A" at 1983.69,1772.5 h60 r270
  text "3V3" at 2058.33,1772.5 h60 r270
  text "BO1" at 2139.8,1772.5 h60 r270
  text "POWER" at 300.21,1751.8 h60
  text "3V3" at 1131,1727 h70 r90
  text "3V3" at 311.41,1705 h60
  text "5V" at 310.18,1654.92 h60
  text "12V" at 310.35,1605.34 h60
  text "A2" at 1209.06,1588.3 h60
  text "3V3" at 1293,1587.57 h60
  text "B2" at 1517.03,1588.3 h60
  text "GND" at 1395,1587.08 h60
  text "AO2" at 2141.42,1582.01 h50
  text "GND" at 1131,1514 h70 r90
  text "GND" at 2131.15,1505.41 h50
  text "106" at 1662.95,1490.26 h60 r90
  text "104" at 1732.95,1489.93 h60 r90
  text "E1B" at 2149.6,1418.92 h50
  text "E1A" at 2147.56,1347.92 h50
  text "1k" at 1692.31,1300.53 h60 r90
  text "GND" at 97.94,1280.9 h120 r90
  text "106" at 1544.95,1272 h60 r90
  text "104" at 1618.95,1271.33 h60 r90
  text "3V3" at 2148.05,1269 h50
  text "AO1" at 2146.45,1187.01 h50
  text "5V" at 98.08,1089.84 h120 r90
  text "VIN" at 342.45,903.5 h110
  text "GND" at 2524.49,864.45 h90 r90
  text "12V" at 2524.49,675.24 h90 r90
  text "GND" at 342.45,646.5 h110
  text "12V" at 2626,484.68 h60 r90
  text "VIN" at 55,372.7 h60 r90
  text "GND" at 2627,284.68 h60 r90
  text "OFF" at 281.58,252.99 h100
  text "ON" at 506.44,252.99 h100
  text "GND" at 54.8,184.85 h60 r90
Bottom Overlay:
  text "105" at 829.27,2000.83 h80 r90
  text "105" at 490.27,1999.83 h80 r90
  text "A2" at 1318.31,1901.94 h60 r90
  text "PB" at 1572.2,1901.97 h60 r90
  text "GN" at 1623.92,1901.82 h60 r90
  text "A1" at 1368.31,1900.91 h60 r90
  text "B2" at 1521.31,1900.97 h60 r90
  text "PA" at 1273.2,1900.19 h60 r90
  text "GN" at 1416.92,1899.82 h60 r90
  text "B1" at 1471.31,1899.94 h60 r90
  text "3.3k" at 801.97,1618.73 h80
  text "10k" at 721.27,1610.54 h80 r90
  text "333" at 796.27,1610.54 h80 r90
  text "GND" at 2199.27,1524.05 h90
  text "E2A" at 2195.05,1453.01 h90
  text "E2B" at 2191.39,1374.01 h90
  text "E1A" at 2195.05,1294.01 h90
  text "105" at 667.27,1287.83 h80 r90
  text "105" at 725.27,1287.83 h80 r90
  text "105" at 788.27,1287.83 h80 r90
  text "E1B" at 2191.39,1214.01 h90
  text "105" at 2114.27,1046.83 h80 r90
  text "105" at 2182.27,1046.83 h80 r90
  text "24k" at 2050.99,627.81 h90 r90
  text "105" at 2121.27,618.83 h80 r90
  text "105" at 2186.27,618.83 h80 r90
  text "105" at 552.59,407.79 h100 r90
  text "0Ω" at 1351.62,322.68 h130 r90
  text "2.7k" at 2128.41,299.25 h80

## Text inside footprints (layer, text, board x,y; h text height)
P1: Top Overlay "-" at 2253,1054 h30 r90; Bottom Overlay "+" at 2439.24,681.89 h20 r90; Bottom Overlay "-" at 2253,1074 h30 r90
P2: Top Overlay "-" at 242,170 h30 r270; Bottom Overlay "+" at 55.76,542.11 h20 r270; Bottom Overlay "-" at 242,150 h30 r270
P3: Top Overlay "V" at 2534.07,538 h50 r90; Top Overlay "V" at 2534.07,339.06 h50 r90
P5: Top Overlay "V" at 147.93,1206 h50 r270; Top Overlay "V" at 147.93,1404.94 h50 r270